# Altium PCB netv2mvp-dvt1a.PCBDOC (part 3 of 6)
Units mm, origin at the board's own origin, x right, y up, seen from the top; angles counter-clockwise.
Board outline 90 x 100 mm, 6 copper layers (L1, L2, L3, L4, L5, L6), stack 1.542 mm thick; 329 components, 277 nets, 2092 pads, 848 vias.
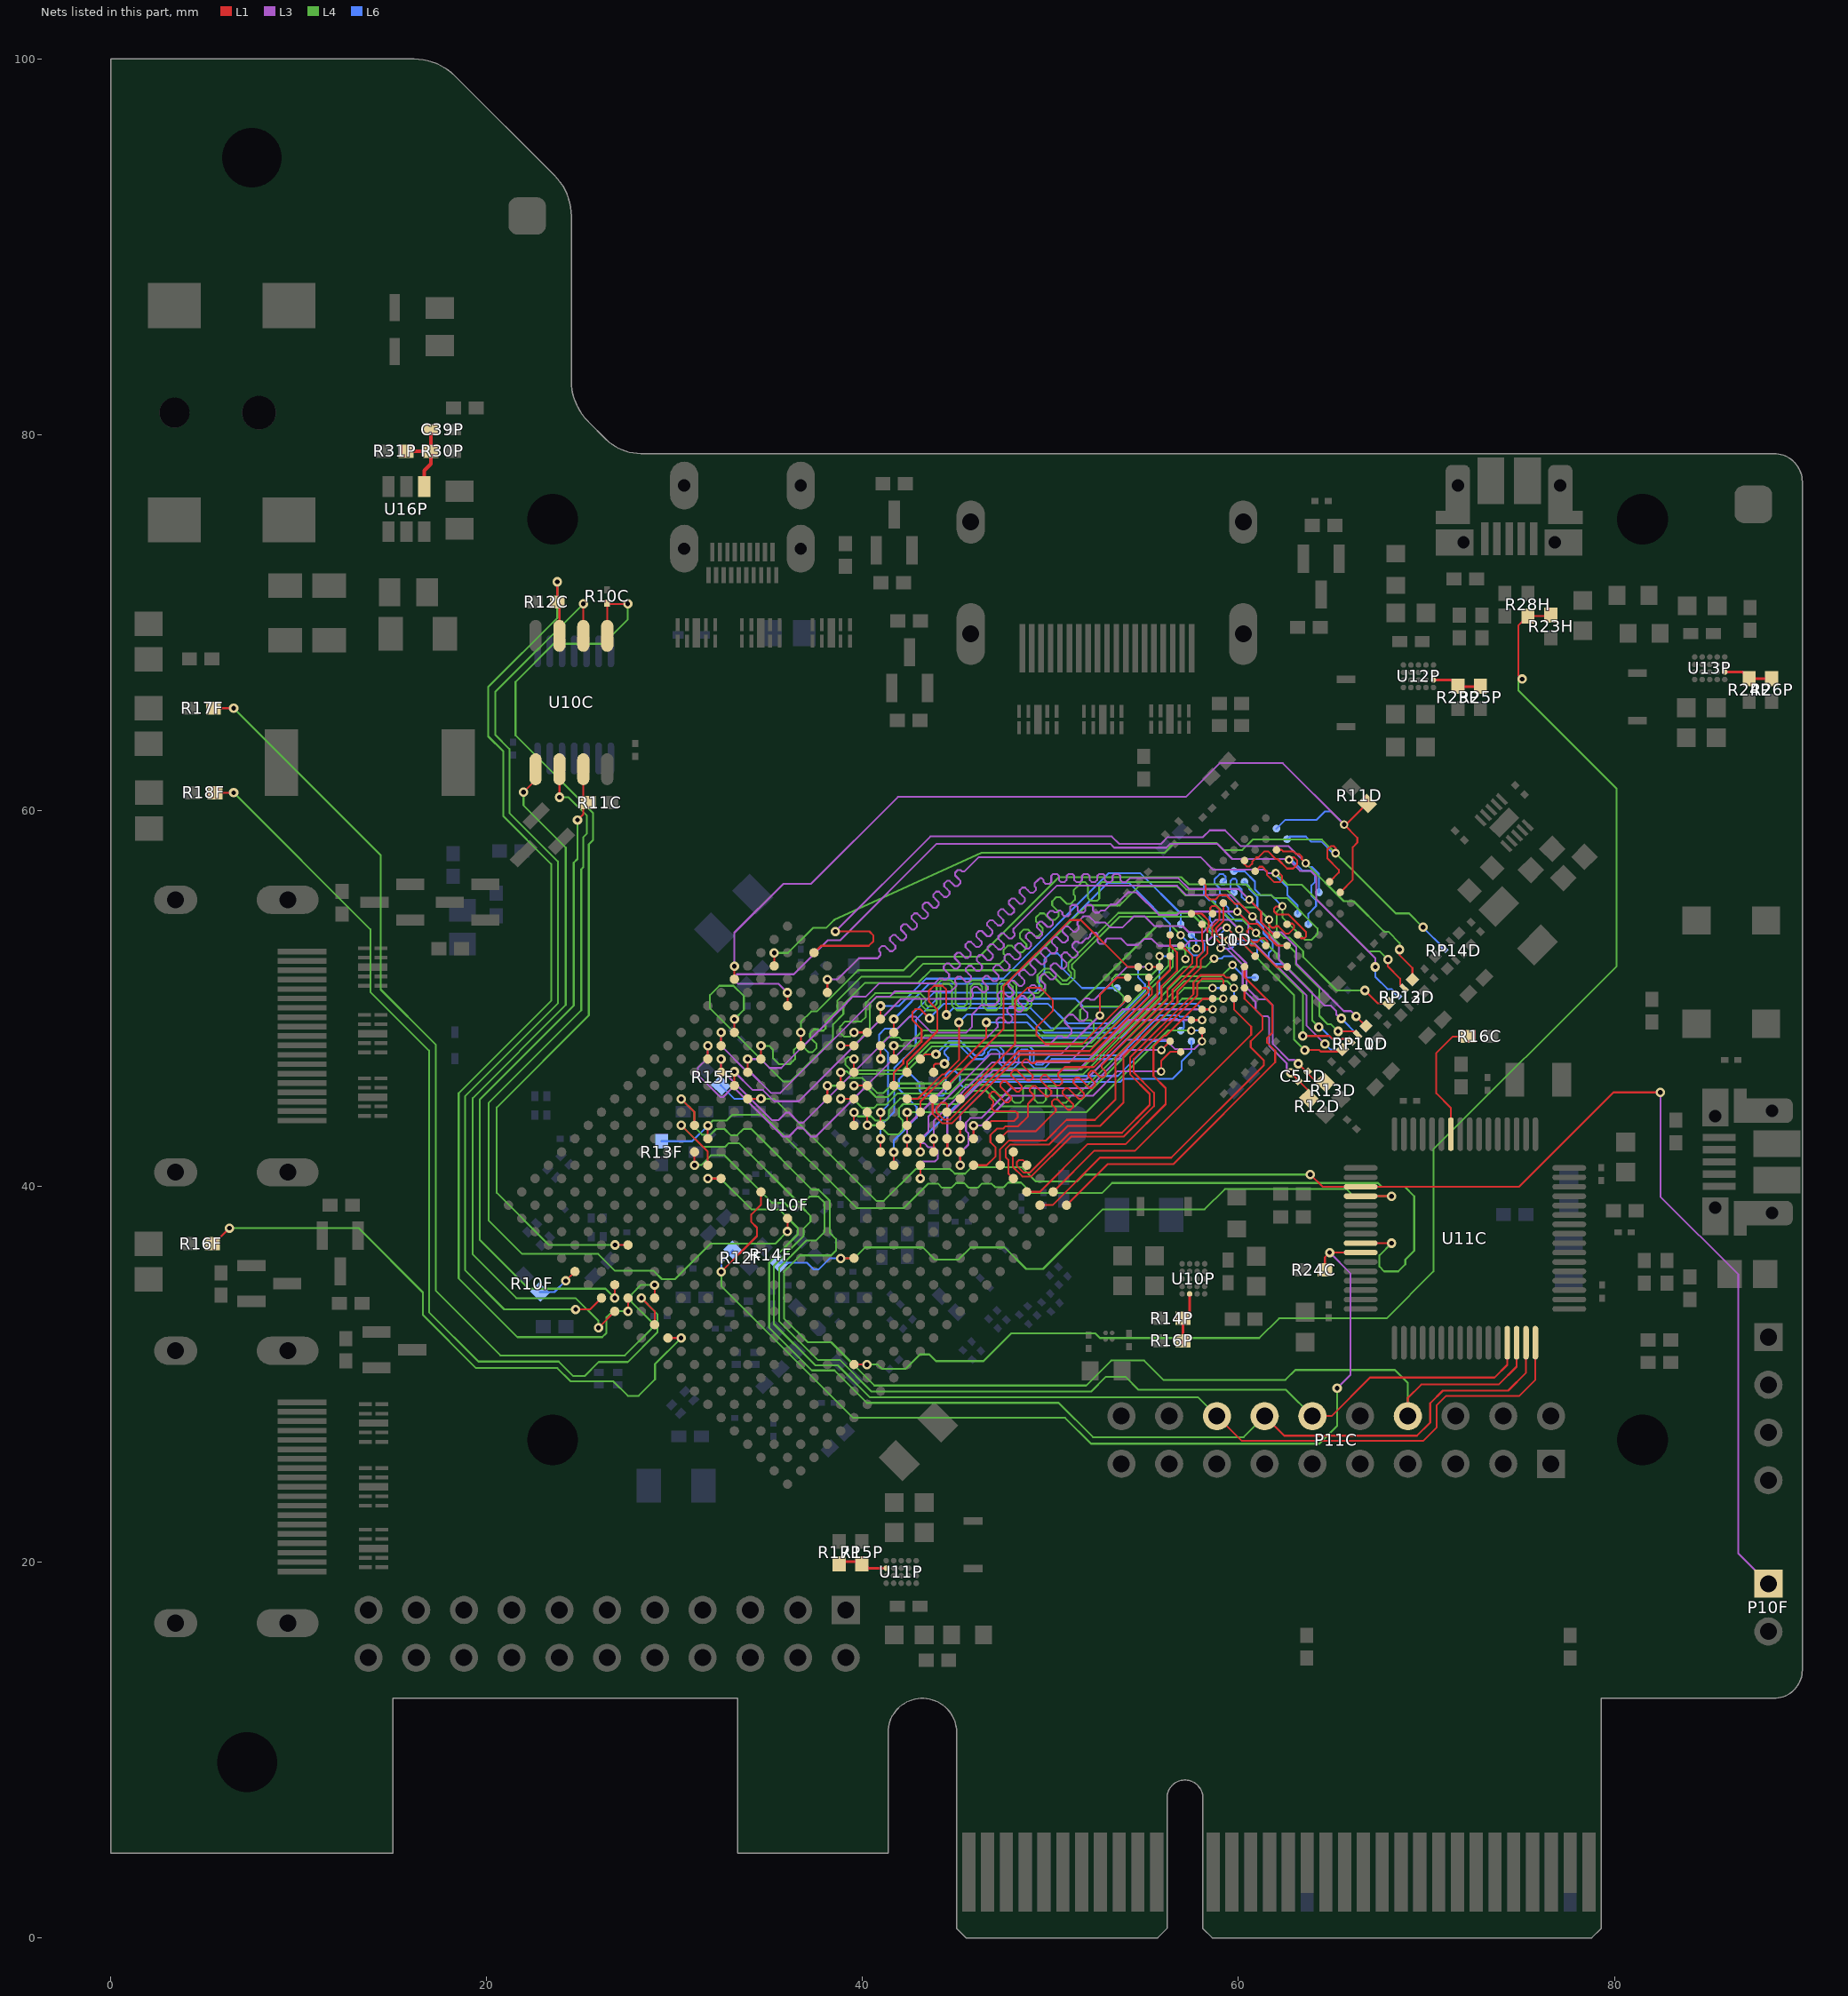
[diagram p7: the nets of this part, all layers, seen from the top]

## Via types
v1: diameter 0.5, hole 0.25, L1 to L6, tented both sides, 789 vias
v2: diameter 0.45, hole 0.25, L1 to L6, tented both sides, 57 vias
v3: diameter 0.5, hole 0.25, L1 to L6, tented top, 2 vias

## Nets (pads, with @x,y where several pads share a name; then routed paths per layer and width w, separated by ;. In a path a pad name is that pad's centre, name@x,y a point inside that pad or via, vN(x,y) a via of type N, cw(c..) or ccw(c..) an arc to the next point about the centre after c; other vN are vias at no path point) (continued)
DDR3_A11: RP13D.5 U10D.R7 U10F.Y1 U11D.R7 | length 47.1
  L1 w0.1: U10F.Y1@37.414,52.435 37.779,52.8 40.325,52.8 40.575,53.05 40.575,53.35 40.358,53.567 v1(38.547,53.567) ; U11D.R7@62.019,57.907 62.301,57.907 62.376,57.832 62.926,57.832 63.071,57.688 63.228,57.688 63.368,57.548 63.368,57.408 v2(63.575,57.2) ; v1@68.65,52.675 v1(68.575,52.6) 68.55,52.575 68.55,52.325 69.258,51.617 RP13D.5@69.258,51.004
  L3 w0.1: v1(38.547,53.567) 43.604,58.625 53.25,58.625 53.65,58.225 55.875,58.225 56.237,58.588 58.113,58.588 58.475,58.95 59.278,58.95 60.128,58.1 62.675,58.1 v2(63.575,57.2)
  L4 w0.1: v2(63.575,57.2) 65.6,55.175 66.125,55.175 67.75,53.55 67.975,53.55 68.575,52.95 v1(68.575,52.6)
  L6 w0.1: v2(63.575,57.2) 63.778,56.997 63.92,56.997 64.271,56.645 64.271,55.654 U10D.R7@64.281,55.644
DDR3_A12: RP13D.6 U10D.N7 U10F.V2 U11D.N7 | length 49.7
  L1 w0.1: U10F.V2@38.121,50.314 v1(38.121,51.013) ; U11D.N7@60.887,56.775 61.12,57.009 61.276,57.009 61.508,56.777 61.508,56.58 61.9,56.188 62.209,56.188 62.323,56.302 62.323,56.507 62.159,56.67 v2(61.984,56.67) ; v1(67.95,52.075) 67.95,51.7 68.6,51.05 68.6,50.76 RP13D.6@68.807,50.553
  L3 w0.1: v1(38.121,51.013) 38.672,51.013 39.8,52.142 40.792,52.142 40.875,52.225 40.947,52.297 40.947,52.441 40.879,52.509 40.879,52.654 41.023,52.798 41.168,52.798 41.308,52.658 41.448,52.518 41.592,52.518 41.736,52.662 41.736,52.806 41.596,52.946 41.456,53.086 41.456,53.231 41.6,53.375 41.745,53.375 41.885,53.235 42.025,53.095 42.169,53.095 42.313,53.239 42.313,53.383 42.173,53.523 42.033,53.663 42.033,53.808 42.177,53.952 42.322,53.952 42.462,53.812 42.602,53.672 42.746,53.672 42.89,53.816 42.89,53.96 42.75,54.1 42.61,54.24 42.61,54.385 42.754,54.529 42.899,54.529 43.039,54.389 43.179,54.249 43.323,54.249 43.467,54.393 43.467,54.537 43.327,54.677 43.187,54.817 43.187,54.962 43.331,55.106 43.476,55.106 43.616,54.966 43.756,54.826 43.9,54.826 44.044,54.97 44.044,55.114 43.904,55.254 43.764,55.394 43.764,55.539 43.908,55.683 44.053,55.683 44.193,55.543 44.333,55.403 44.477,55.403 44.621,55.547 44.621,55.691 44.481,55.831 44.341,55.971 44.341,56.116 44.485,56.26 44.63,56.26 44.77,56.12 44.91,55.98 45.054,55.98 45.198,56.124 45.198,56.268 45.058,56.408 44.918,56.548 44.918,56.693 45.062,56.837 45.207,56.837 45.275,56.769 45.419,56.769 45.512,56.862 46.175,57.525 57.975,57.525 58.65,56.85 61.378,56.85 61.558,56.67 v2(61.984,56.67)
  L4 w0.1: v2(61.984,56.67) 62.604,56.05 63.375,56.05 66.913,52.513 67.513,52.513 v1(67.95,52.075)
  L6 w0.1: v2(61.984,56.67) 61.984,56.529 62.599,55.913 62.599,55.489 63.15,54.938 U10D.N7@63.15,54.513
DDR3_A13: RP14D.6 U10D.T3 U10F.AA3 U11D.T3 | length 46.8
  L1 w0.1: U10F.AA3@35.293,51.728 v1(35.293,52.428) ; U11D.T3@64.847,56.21 65.338,56.7 65.338,56.846 64.73,57.453 64.73,57.92 64.923,58.113 65.06,58.113 65.166,58.008 v2(65.166,57.731)
  L4 w0.1: v1@35.39,52.525 35.49,52.425 36.025,52.425 37.35,53.75 38.05,53.75 38.475,54.175 46.325,57.75 56.05,57.75 56.575,58.275 58.822,58.275 59.197,57.9 60.2,57.9 60.759,58.459 64.437,58.459 v2(65.166,57.731) 68.371,54.525 69.077,54.525 69.802,53.8 v1(69.825,53.8)
  L6 w0.1: U10D.T3@62.584,58.472 62.727,58.615 63.585,58.615 63.852,58.349 64.406,58.349 65.024,57.731 v2(65.166,57.731) ; v1(69.825,53.8) 69.825,53.777 RP14D.6@70.928,52.674
DDR3_BA0: RP13D.8 U10D.M2 U10F.U5 U11D.M2 | length 52.8
  L1 w0.1: U10F.U5@36.707,47.485 v1(36.707,48.185) ; v2(62.337,54.902) 62.005,54.902 61.891,54.788 61.891,54.636 62.057,54.47 62.655,54.47 63.595,53.53 63.595,53.295 63.505,53.204 63.327,53.204 U11D.M2@63.15,53.381 ; v1(66.725,50.425) 67.402,49.748 RP13D.8@68.002,49.748
  L4 w0.1: v1(36.707,48.185) 36.707,48.751 37.264,49.307 37.557,49.307 39.75,51.5 42.175,51.5 42.9,52.225 46.2,52.225 50.425,56.45 56.975,56.45 57.35,56.075 60.4,56.075 60.975,55.5 61.74,55.5 61.89,55.35 62.575,55.35 64.2,53.725 64.2,53.425 63.9,53.125 63.525,53.125 62.337,54.313 v2(62.337,54.902) 62.025,54.59 62.025,53.625 62.425,53.225 62.725,53.225 63.438,52.512 63.438,52.212 65.225,50.425 v1(66.725,50.425)
  L6 w0.1: U10D.M2@59.756,56.775 60.319,56.775 60.877,56.217 60.877,55.797 61.193,55.481 61.758,55.481 v2(62.337,54.902)
DDR3_BA1: RP12D.6 U10D.N8 U10F.W4 U11D.N8 | length 56.3
  L1 w0.1: U10F.W4@36,49.607 v1(36,50.306) ; U11D.N8@60.321,57.341 60.321,57.143 60.438,57.026 60.58,57.026 60.739,57.185 60.739,57.292 60.951,57.504 61.057,57.504 61.382,57.829 61.566,57.829 61.973,57.422 62.08,57.422 62.586,56.917 62.909,56.917 63.129,57.136 63.129,57.334 62.959,57.504 62.818,57.504 v2(62.691,57.377)
  L3 w0.1: v1(36,50.306) 35.531,50.775 33.375,50.775 33.175,50.975 33.175,51.15 33.313,51.287 36.337,51.287 38.15,53.1 38.8,53.1 43.933,58.233 53.175,58.233 53.383,58.025 56.167,58.025 56.375,58.233 58.863,58.233 59.672,57.425 62.643,57.425 v2(62.691,57.377) 63.275,56.793 63.832,56.793 64.137,56.488 64.137,55.287 67.278,52.147 v1(67.278,51.678)
  L6 w0.1: v2(62.691,57.377) 62.832,57.377 63.413,56.797 63.837,56.797 64.071,56.563 64.071,56.212 63.882,56.023 63.882,55.456 64.126,55.213 64.126,54.916 63.716,54.506 U10D.N8@63.716,53.947 ; v1(67.278,51.678) 67.278,51.147 67.925,50.5 68.152,50.5 RP12D.6@68.453,50.199
DDR3_BA2: RP11D.6 U10D.M3 U10F.V7 U11D.M3 | length 55.9
  L1 w0.1: U10F.V7@34.586,46.778 v1(34.586,47.478) ; v2(61.63,54.195) 61.63,53.912 61.772,53.771 61.913,53.771 61.983,53.841 62.125,53.841 62.521,53.445 62.662,53.445 62.959,53.742 62.959,53.883 62.86,53.982 62.62,53.982 U11D.M3@62.584,53.947 ; v1(65.3,48.25) 66.16,48.25 RP11D.6@66.332,48.078
  L4 w0.1: v1(34.586,47.478) 35.025,47.478 35.225,47.278 35.225,46.825 35.55,46.5 36.125,46.5 36.3,46.675 36.407,46.782 36.407,46.997 36.345,47.06 36.345,47.275 36.56,47.49 36.775,47.49 36.945,47.32 37.12,47.145 37.335,47.145 37.55,47.359 37.55,47.574 37.375,47.75 37.199,47.925 37.199,48.14 37.414,48.355 37.629,48.355 37.697,48.287 37.912,48.287 38.025,48.4 38.025,48.75 38.65,49.375 38.65,49.875 39.925,51.15 42.525,51.15 43.225,51.85 47.325,51.85 47.462,51.987 47.57,52.095 47.57,52.31 47.502,52.378 47.502,52.593 47.717,52.808 47.932,52.808 48.107,52.632 48.283,52.457 48.498,52.457 48.713,52.672 48.713,52.887 48.537,53.062 48.362,53.238 48.362,53.453 48.577,53.668 48.792,53.668 48.967,53.492 49.143,53.317 49.358,53.317 49.573,53.532 49.573,53.747 49.397,53.922 49.222,54.098 49.222,54.312 49.437,54.527 49.652,54.527 49.827,54.352 50.002,54.177 50.217,54.177 50.432,54.392 50.432,54.607 50.257,54.782 50.082,54.957 50.082,55.172 50.297,55.387 50.512,55.387 50.687,55.212 50.862,55.037 51.077,55.037 51.292,55.252 51.292,55.466 51.224,55.534 51.224,55.749 51.547,56.072 51.675,56.2 51.827,56.2 51.979,56.048 51.979,55.952 51.979,55.346 52.125,55.2 52.475,55.2 52.587,55.312 52.587,55.952 52.587,56.048 52.739,56.2 53.175,56.2 56.825,56.2 57.225,55.8 59.35,55.8 60.3,54.85 60.975,54.85 v2(61.63,54.195) 61.63,53.445 62.25,52.825 62.65,52.825 63.05,52.425 63.05,51.8 64.3,50.55 64.3,49.075 64.75,48.625 64.925,48.625 v1(65.3,48.25)
  L6 w0.1: U10D.M3@60.321,56.21 60.569,55.962 60.569,55.822 61.007,55.384 61.007,54.818 v2(61.63,54.195)
DDR3_CAS_N: RP10D.6 U10D.K3 U10F.Y7 U11D.K3 | length 55.3
  L1 w0.1: U10F.Y7@33.172,48.192 v1(33.172,48.892) ; v2(60.923,53.488) 60.683,53.728 60.583,53.728 60.442,53.586 60.442,53.318 60.751,53.009 61.009,53.009 61.206,53.205 61.381,53.205 61.545,53.042 61.545,52.907 U11D.K3@61.453,52.816
  L4 w0.1: v1(33.172,48.892) 33.675,49.396 33.675,50.125 33.125,50.675 32.375,50.675 31.875,50.175 31.875,49.475 35.775,45.575 36.15,45.575 38.425,47.85 38.425,48.625 38.975,49.175 38.975,49.675 40.133,50.833 42.958,50.833 43.625,51.5 48.475,51.5 51.925,54.95 53.679,54.95 54.7,55.971 56.7,55.971 57.183,55.487 58.262,55.487 ; 58.275,55.5 59.575,54.2 60.211,54.2 v2(60.923,53.488) 62.025,52.386 62.025,52.225 63.925,50.325 63.925,48.825 v1(64.275,48.475)
  L6 w0.1: U10D.K3@59.19,55.078 59.462,54.807 59.462,54.525 59.838,54.148 60.263,54.148 v2(60.923,53.488) ; v1(64.275,48.475) 64.35,48.475 64.975,47.85 65.853,47.85 RP10D.6@65.978,47.724
DDR3_CK_N: C51D.1 R13D.1 U10D.K7 U10F.R2 U11D.K7 | length 51.1
  L1 w0.1: v1(39.543,48.192) U10F.R2@40.243,48.192 ; U11D.K7@59.19,55.078 59.19,54.115 58.809,53.734 58.809,53.474 59.105,53.177 59.395,53.177 v2(59.474,53.099) ; v1(63.175,46.525) 64.176,45.524 R13D.1@64.601,45.524
  L3 w0.1: v2(59.474,53.099) 59.474,52.816 60.425,51.865 60.425,50.575 61.05,49.95 61.5,49.95 61.825,49.625 61.825,47.575 62.675,46.725 62.975,46.725 v1(63.175,46.525)
  L4 w0.1: v1(39.543,48.192) 39.326,47.975 39,47.975 38.8,48.175 38.8,48.5 39.075,48.775 39.925,48.775 40.175,49.025 40.175,49.783 40.667,50.275 43.068,50.275 43.329,50.014 43.329,49.718 43.472,49.575 43.794,49.575 43.937,49.718 43.937,50.714 44.198,50.975 44.684,50.975 44.945,50.714 44.945,49.718 45.088,49.575 45.41,49.575 45.553,49.718 45.553,50.714 45.814,50.975 46.3,50.975 46.561,50.714 46.561,49.718 46.704,49.575 47.026,49.575 47.169,49.718 47.169,50.714 47.43,50.975 47.916,50.975 48.177,50.714 48.177,49.718 48.32,49.575 48.642,49.575 48.785,49.718 48.785,50.014 49.046,50.275 49.325,50.275 49.515,50.465 49.515,50.668 49.306,50.877 49.306,51.246 49.65,51.59 50.019,51.59 50.651,50.958 50.854,50.958 51.081,51.185 51.081,51.388 50.944,51.525 50.944,51.894 51.525,52.475 53.6,54.55 57.74,54.55 59.191,53.099 v2(59.474,53.099)
  L6 w0.1: v2(59.474,53.099) 61.169,53.099 U10D.K7@61.453,52.816 U10D.K7@61.412,52.775
DDR3_CK_P: C51D.2 R12D.1 U10D.J7 U10F.R3 U11D.J7 | length 51.5
  L1 w0.1: v1(38.836,47.485) U10F.R3@39.536,47.485 ; U11D.J7@58.624,54.513 58.5,54.637 58.5,54.825 58.6,54.925 58.775,54.925 58.99,54.71 58.99,54.198 58.609,53.817 58.609,53.366 59.049,52.926 v2(59.049,52.675) ; v1(62.775,46.05) 63.751,45.074 R12D.1@63.751,44.674
  L3 w0.1: v2(59.049,52.675) 59.332,52.675 60.225,51.782 60.225,50.492 60.909,49.809 60.909,49.4 61.259,49.05 61.55,49.05 61.625,48.975 61.625,47.492 62.567,46.55 62.567,46.258 v1(62.775,46.05)
  L4 w0.1: v1(38.836,47.485) 39.485,47.485 40.375,48.375 40.375,49.7 40.75,50.075 42.986,50.075 43.129,49.932 43.129,49.636 43.39,49.375 43.876,49.375 44.137,49.636 44.137,50.632 44.28,50.775 44.602,50.775 44.745,50.632 44.745,49.636 45.006,49.375 45.492,49.375 45.753,49.636 45.753,50.632 45.896,50.775 46.218,50.775 46.361,50.632 46.361,49.636 46.622,49.375 47.108,49.375 47.369,49.636 47.369,50.632 47.512,50.775 47.834,50.775 47.977,50.632 47.977,49.636 48.238,49.375 48.724,49.375 48.985,49.636 48.985,49.932 49.128,50.075 49.408,50.075 49.715,50.382 49.715,50.751 49.506,50.96 49.506,51.163 49.733,51.39 49.936,51.39 50.568,50.758 50.937,50.758 51.281,51.102 51.281,51.471 51.144,51.608 51.144,51.811 53.683,54.35 57.657,54.35 59.049,52.958 v2(59.049,52.675)
  L6 w0.1: v2(59.049,52.675) 59.074,52.65 59.6,52.65 59.849,52.899 60.801,52.899 61,52.7 61,52.363 U10D.J7@60.887,52.25
DDR3_CKE: RP10D.7 U10D.K9 U10F.Y8 U11D.K9 | length 57.2
  L1 w0.1: U10F.Y8@32.464,47.485 v1(32.464,48.185) ; U11D.K9@58.059,56.21 58.249,56.019 58.249,55.489 58.47,55.269 58.779,55.269 59,55.489 59.001,55.495 59.341,55.495 59.793,55.044 60.074,55.044 v2(60.746,54.372)
  L3 w0.1: v1(32.464,48.185) 32.464,47.486 33.8,46.15 33.949,46.15 35.127,44.972 35.622,44.972 40.75,50.1 41.45,50.1 41.725,50.375 44.7,50.375 44.912,50.587 44.985,50.66 44.985,50.804 44.917,50.872 44.917,51.016 45.061,51.16 45.205,51.16 45.345,51.02 45.485,50.88 45.629,50.88 45.774,51.025 45.774,51.169 45.634,51.309 45.494,51.449 45.494,51.593 45.638,51.737 45.782,51.737 45.922,51.597 46.062,51.457 46.206,51.457 46.351,51.602 46.351,51.746 46.211,51.886 46.071,52.026 46.071,52.17 46.215,52.314 46.359,52.314 46.499,52.174 46.639,52.034 46.783,52.034 46.928,52.179 46.928,52.323 46.788,52.463 46.648,52.603 46.648,52.747 46.792,52.891 46.936,52.891 47.076,52.751 47.216,52.611 47.36,52.611 47.505,52.756 47.505,52.9 47.365,53.04 47.225,53.18 47.225,53.324 47.369,53.468 47.513,53.468 47.653,53.328 47.793,53.188 47.937,53.188 48.082,53.332 48.082,53.477 48.014,53.545 48.014,53.689 48.15,53.825 50.325,56 56.725,56 57.225,55.5 59.618,55.5 v2(60.746,54.372) 60.975,54.143 60.975,54 62.15,52.825 62.15,52.05 64.575,49.625 64.9,49.625 65.2,49.325 65.2,49.15 65.415,48.935 v1(65.475,48.935)
  L6 w0.1: v2(60.746,54.372) 61.323,53.795 61.323,53.475 61.828,52.97 61.828,52.639 61.601,52.413 61.601,52.13 61.898,51.833 62.436,51.833 ; v1(65.475,48.935) RP10D.7@66.332,48.078
DDR3_CS0_N: RP10D.5 U10D.L2 U10F.V9 U11D.L2 | length 58.9
  L1 w0.1: U10F.V9@33.172,45.364 v1@33.172,46.064 ; v2(59.933,54.619) 60.581,53.972 61.005,53.972 61.643,53.334 61.643,53.226 62.054,52.816 U11D.L2@62.584,52.816
  L3 w0.1: v1(33.172,46.1) 34.148,45.123 34.693,45.123 35.291,44.525 36.6,44.525 42.05,49.975 45.725,49.975 45.8,50.05 45.872,50.122 45.872,50.266 45.804,50.334 45.804,50.479 45.948,50.623 46.093,50.623 46.233,50.483 46.373,50.343 46.517,50.343 46.661,50.487 46.661,50.631 46.521,50.771 46.381,50.911 46.381,51.056 46.525,51.2 46.67,51.2 46.81,51.06 46.95,50.92 47.094,50.92 47.238,51.064 47.238,51.208 47.098,51.348 46.958,51.488 46.958,51.633 47.102,51.777 47.247,51.777 47.387,51.637 47.527,51.497 47.671,51.497 47.815,51.641 47.815,51.785 47.675,51.925 47.535,52.065 47.535,52.21 47.679,52.354 47.824,52.354 47.964,52.214 48.104,52.074 48.248,52.074 48.392,52.218 48.392,52.362 48.252,52.502 48.112,52.642 48.112,52.787 48.256,52.931 48.401,52.931 48.541,52.791 48.681,52.651 48.825,52.651 48.969,52.795 48.969,52.939 48.829,53.079 48.689,53.219 48.689,53.364 48.833,53.508 48.978,53.508 49.118,53.368 49.258,53.228 49.402,53.228 49.546,53.372 49.546,53.516 49.406,53.656 49.266,53.796 49.266,53.941 49.41,54.085 49.555,54.085 49.695,53.945 49.835,53.805 49.979,53.805 50.123,53.949 50.123,54.093 49.983,54.233 49.843,54.373 49.843,54.518 49.987,54.662 50.132,54.662 50.2,54.594 50.344,54.594 50.425,54.675 50.527,54.675 50.629,54.573 50.629,54.477 50.731,54.375 50.935,54.375 51.037,54.477 51.037,54.675 51.037,54.873 51.139,54.975 51.343,54.975 51.445,54.873 51.445,54.675 51.545,54.575 51.753,54.575 51.853,54.675 51.853,54.873 51.955,54.975 52.159,54.975 52.261,54.873 52.261,54.675 52.361,54.575 52.569,54.575 52.669,54.675 52.875,54.675 53.2,55 53.475,55 54.125,55.65 54.55,55.65 55.75,54.45 56.74,54.45 56.91,54.619 v2(59.933,54.619) 60.525,54.028 60.525,53.25 63.625,50.15 63.625,48.55 v1(64.6,47.575)
  L6 w0.1: U10D.L2@59.19,56.21 59.317,56.337 59.317,56.478 59.183,56.613 58.992,56.613 58.723,56.344 58.723,56.139 59.01,55.853 59.01,55.598 59.148,55.46 59.409,55.46 59.933,54.936 v2(59.933,54.619) ; v1(64.6,47.575) 64.901,47.274 RP10D.5@65.528,47.274
DDR3_DM0: U10F.G1 U11D.E7 | length 23.4
  L1 w0.1: U10F.G1@46.607,43.243 46.839,43.475 48.05,43.475 48.25,43.675 48.25,43.875 48.125,44 47,44 46.887,44.113 46.887,44.312 46.96,44.385 46.96,44.529 46.75,44.738 46.75,44.882 46.895,45.027 47.039,45.027 47.32,44.745 47.602,44.464 47.746,44.464 47.89,44.608 47.89,44.752 47.609,45.034 47.327,45.315 47.327,45.459 47.472,45.604 47.616,45.604 47.897,45.322 48.179,45.041 48.323,45.041 48.467,45.185 48.467,45.329 48.186,45.611 47.904,45.892 47.904,46.036 48.049,46.181 48.193,46.181 48.474,45.899 48.756,45.618 48.9,45.618 49.044,45.762 49.044,45.906 48.763,46.188 48.481,46.469 48.481,46.613 48.626,46.758 48.77,46.758 48.979,46.548 49.123,46.548 49.25,46.675 49.375,46.675 52.275,46.675 55.675,50.075 55.675,50.825 56.362,51.512 U11D.E7@56.362,52.25
DDR3_DM1: U10F.H4 U11D.D3 | length 19.5
  L1 w0.1: U10F.H4@43.778,41.828 v1(43.778,42.528) ; U11D.D3@58.059,49.421 v2(58.627,49.421)
  L3 w0.1: v1(43.778,42.528) 43.778,43.478 46.9,46.6 51,46.6 53.821,49.421 v2(58.627,49.421)
DDR3_DM2: U10D.E7 U10F.M5 | length 25
  L1 w0.1: v1(40.243,43.25) U10F.M5@40.243,43.95
  L4 w0.1: v1(40.243,43.25) 40.875,43.25 41.35,42.775 41.9,42.775 42.125,43 42.125,43.525 41.925,43.725 41.925,44.15 42.15,44.375 45.1,44.375 45.807,45.082 46.575,45.082 47.407,44.25 51.275,44.25 57.012,49.987 v2(59.193,49.987)
  L6 w0.1: U10D.E7@58.624,49.987 v2(59.193,49.987)
DDR3_DM3: U10D.D3 U10F.L3 | length 19
  L1 w0.1: U10F.L3@42.364,44.657 42.93,44.657 44.237,45.964 44.356,45.964 45.125,46.733 v1@45.125,48.625
  L6 w0.1: v1(45.125,48.725) 45.55,49.15 48.712,49.15 49.687,48.175 53.675,48.175 55.796,50.296 U10D.D3@55.796,51.684
DDR3_DQ0: U10F.C2 U11D.E3 | length 16.9
  L1 w0.1: U10F.C2@48.728,39.707 49.432,39.707 51.975,42.25 54,42.25 56.125,44.375 56.125,45.225 55.475,45.875 55.475,47.45 56.037,48.012 56.138,48.012 58.112,49.987 U11D.E3@58.624,49.987
DDR3_DQ1: U10F.F1 U11D.F7 | length 22
  L1 w0.1: U10F.F1@47.314,42.536 47.703,42.925 49.2,42.925 50.163,43.887 50.275,44 50.275,44.144 50.065,44.353 50.065,44.497 50.21,44.642 50.354,44.642 50.635,44.36 50.917,44.079 51.061,44.079 51.205,44.223 51.205,44.367 50.924,44.649 50.642,44.93 50.642,45.074 50.787,45.219 50.931,45.219 51.212,44.937 51.494,44.656 51.638,44.656 51.782,44.8 51.782,44.944 51.501,45.226 51.219,45.507 51.219,45.651 51.364,45.796 51.508,45.796 51.789,45.514 52.071,45.233 52.215,45.233 52.359,45.377 52.359,45.521 52.078,45.803 52.019,45.862 52.019,46.006 52.163,46.15 52.307,46.15 52.366,46.091 52.648,45.81 52.792,45.81 52.936,45.954 52.936,46.098 52.727,46.308 52.727,46.452 52.943,46.668 53.088,46.812 56.225,49.95 56.225,50.55 57.55,51.875 57.55,52.255 56.99,52.816 U11D.F7@56.927,52.816 U11D.F7@56.925,52.813
DDR3_DQ2: U10F.B1 U11D.F2 | length 16.3
  L1 w0.1: U10F.B1@50.142,39.707 52.335,41.9 54.5,41.9 60.675,48.075 60.675,48.502 59.756,49.421 U11D.F2@59.756,49.987
DDR3_DQ3: U10F.F3 U11D.F8 | length 22.4
  L1 w0.1: U10F.F3@45.899,41.121 46.596,41.121 47.075,41.6 47.075,42.075 46.8,42.35 46.8,42.725 47.15,43.075 47.475,43.075 47.6,43.2 48.275,43.2 48.8,43.725 48.8,44.4 48.913,44.512 49.105,44.705 49.105,44.849 48.895,45.058 48.895,45.202 49.04,45.347 49.184,45.347 49.465,45.065 49.747,44.784 49.891,44.784 50.035,44.928 50.035,45.072 49.754,45.354 49.472,45.635 49.472,45.779 49.617,45.924 49.761,45.924 50.042,45.642 50.324,45.361 50.468,45.361 50.612,45.505 50.612,45.649 50.403,45.859 50.403,46.003 50.475,46.075 50.75,46.35 52.3,46.35 55.9,49.95 55.9,50.65 56.725,51.475 56.725,52.45 56.362,52.813 U11D.F8@56.362,53.381
DDR3_DQ4: U10F.A1 U11D.H3 | length 20.2
  L1 w0.1: U10F.A1@50.849,39 53.024,41.175 56.525,41.175 61.95,46.6 61.95,47.225 61.525,47.65 61.525,47.9 61.8,48.175 61.8,49.654 60.321,51.133 U11D.H3@60.321,51.684
DDR3_DQ5: U10F.D2 U11D.H8 | length 21.7
  L1 w0.1: U10F.D2@48.021,40.414 47.75,40.685 47.75,41.404 47.621,41.534 47.621,41.994 47.855,42.228 49.928,42.228 50.912,43.212 52.637,43.212 53.875,44.45 53.875,46.925 56.75,49.8 56.75,50.375 57.987,51.612 57.987,52.038 58.35,52.4 58.35,53.743 58.409,53.802 58.409,54.141 58.037,54.513 U11D.H8@57.493,54.513
DDR3_DQ6: U10F.B2 U11D.G2 | length 20.1
  L1 w0.1: U10F.B2@49.435,39 50.1,39 52.625,41.525 56.425,41.525 61.35,46.45 61.35,46.7 60.65,47.4 60.65,47.725 61.284,48.359 61.284,49.025 60.321,49.987 U11D.G2@60.321,50.553
DDR3_DQ7: U10F.E2 U11D.H7 | length 19.4
  L1 w0.1: U10F.E2@47.314,41.121 47.314,41.97 47.772,42.428 49.74,42.428 50.843,43.532 52.357,43.532 53.45,44.625 53.45,46.825 56.487,49.862 56.487,50.463 57.775,51.75 57.775,52.15 58.116,52.491 58.116,52.975 58.059,53.032 U11D.H7@58.059,53.947